# Altium PCB DIO_MCX.PCBDOC (part 1 of 3) (continued)
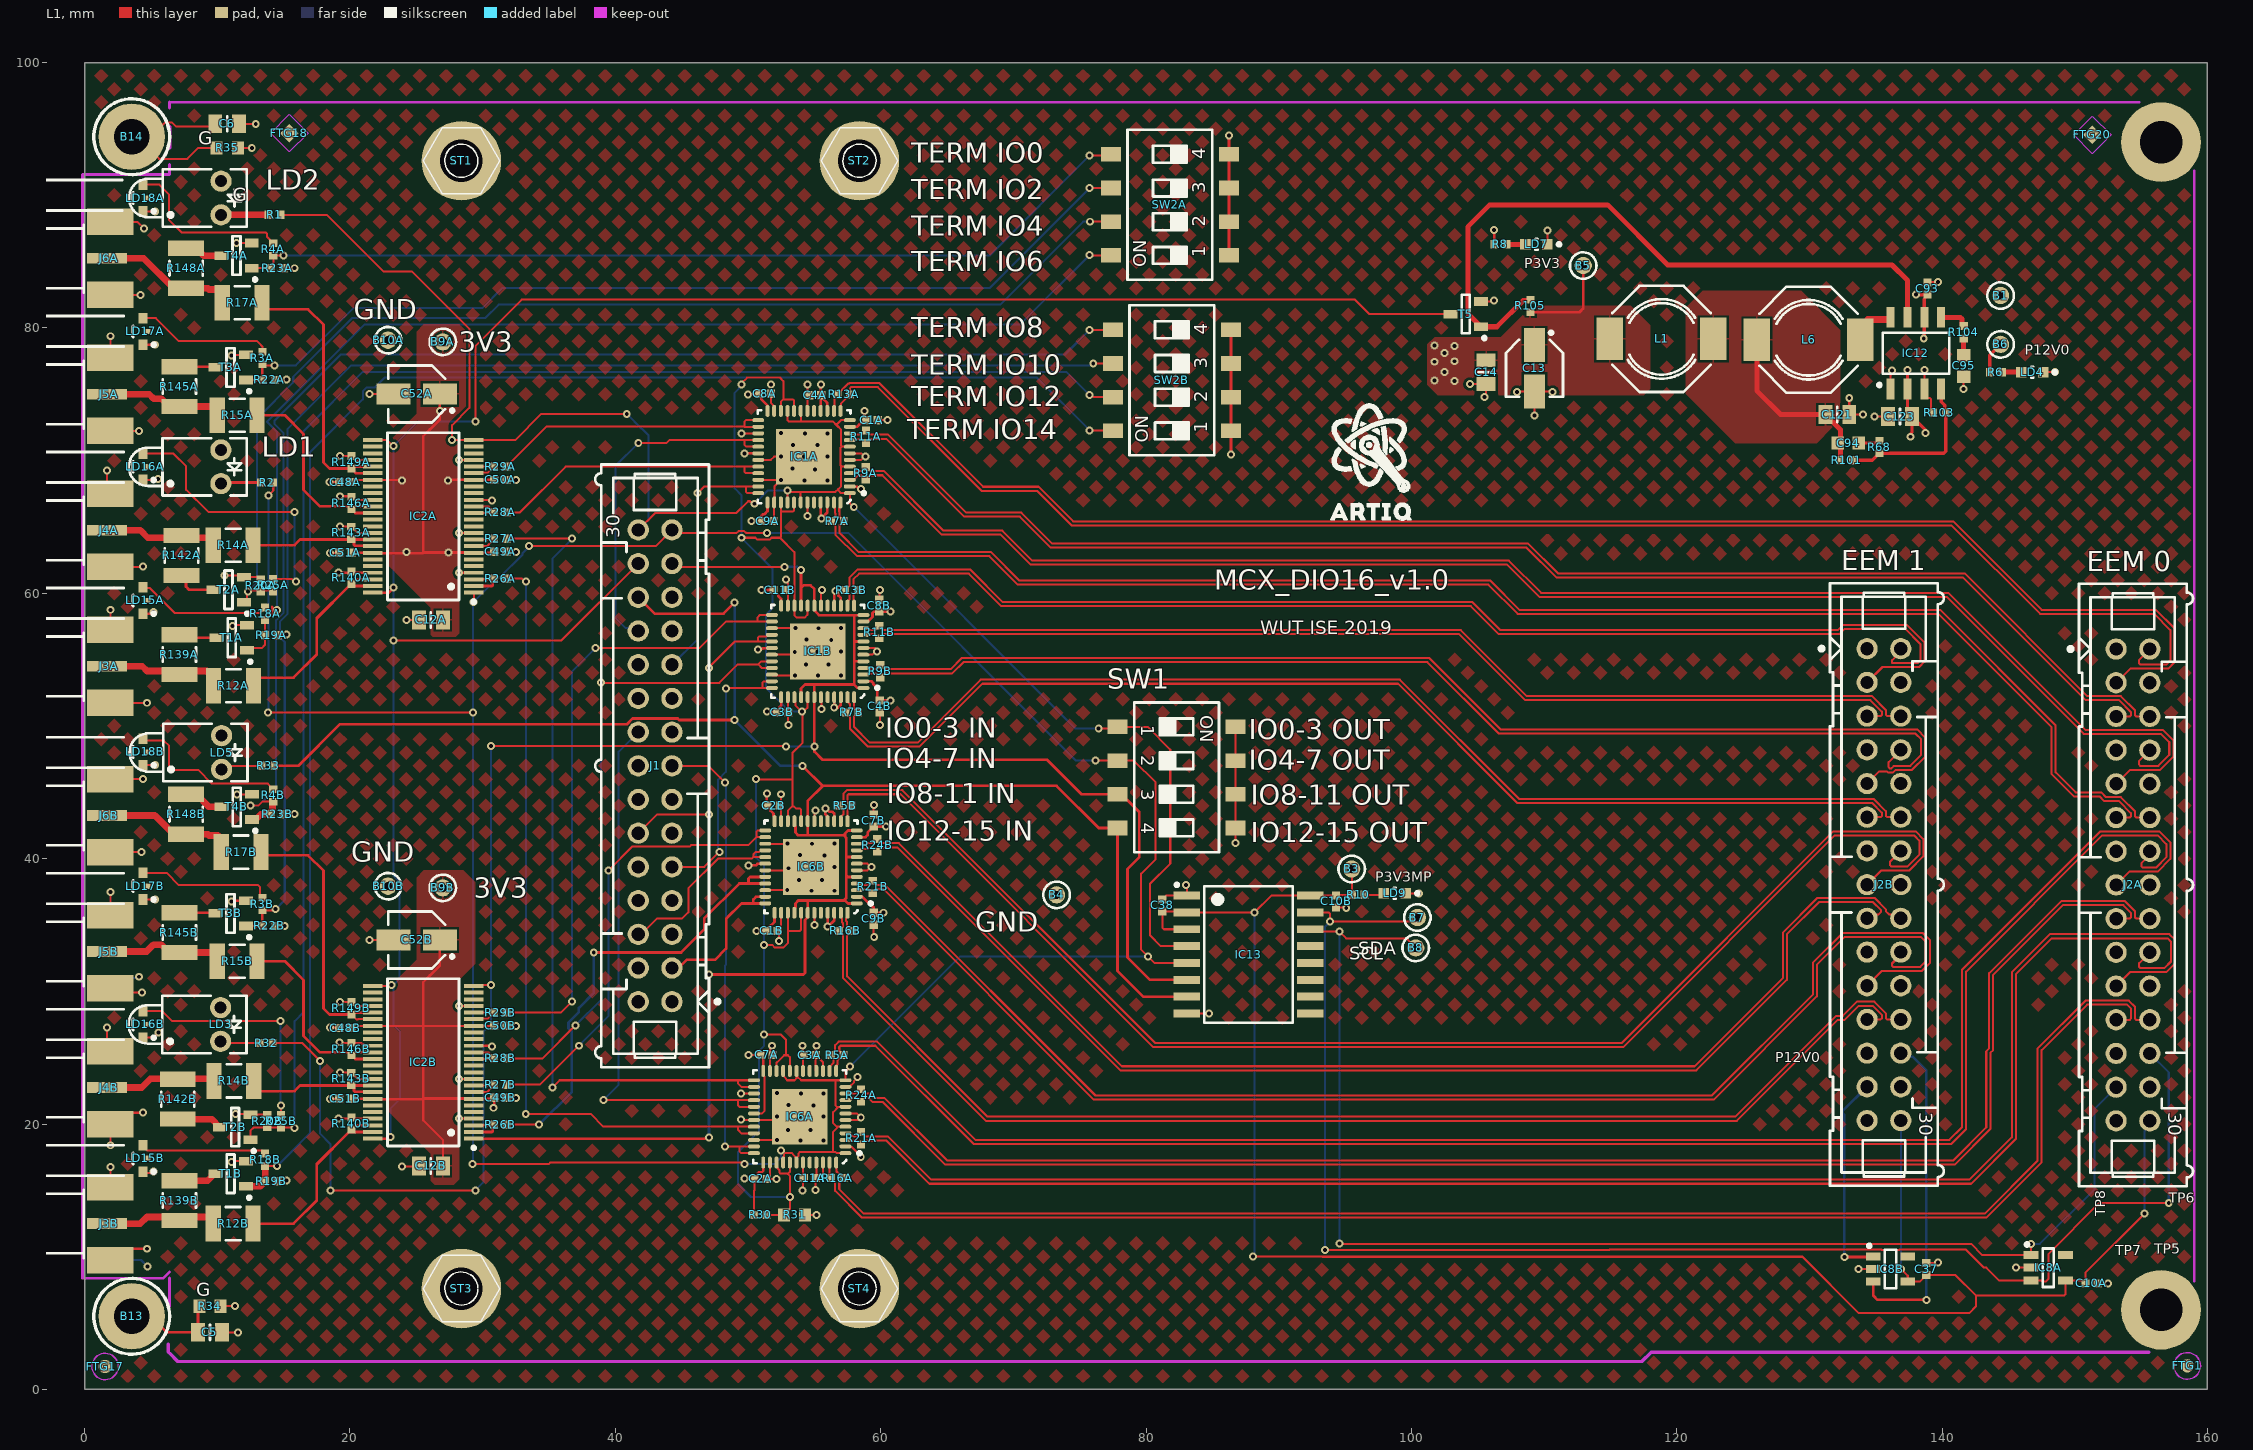
[diagram p0: L1 view]
## Design rules (kind name [scope] priority, off if disabled: settings)
AcuteAngle AcuteAngle_GND [InNet('GND')] p1: minimum=5.00000000000000E+0001 checktracksonly=FALSE
AcuteAngle [All] p2: minimum=5.00000000000000E+0001 checktracksonly=FALSE
Clearance Clearance_1 [InPolygon vs (InDifferentialPairClass('All Differential Pairs'))] p1: gap=0.254 ignorepadtopadclearanceinfootprint=FALSE except(0: Arc-Hole Track-Hole SMDPad-Hole THPad-Hole Via-Hole Fill-Hole Poly-Hole Region-Hole Text-Hole; 0.508: Track-Poly)
Clearance Clearance_KeepOut [OnLayer('Keep-Out Layer') vs NOT (InComponent('J8') OR InComponent('J11'))] p2: gap=0.127 ignorepadtopadclearanceinfootprint=FALSE
Clearance Clearance_50_Ohms [InNetClass('50_Ohms')] p3: gap=0.2 ignorepadtopadclearanceinfootprint=FALSE except(0: Arc-Hole Track-Hole SMDPad-Hole THPad-Hole Via-Hole Fill-Hole Poly-Hole Region-Hole Text-Hole)
Clearance Clearance_DiffPair_1 [(InDifferentialPairClass('All Differential Pairs')) vs (InDifferentialPairClass('All Differential Pairs'))] p4 off: gap=0.3 ignorepadtopadclearanceinfootprint=FALSE except(0: Arc-Hole Track-Hole SMDPad-Hole THPad-Hole Via-Hole Fill-Hole Poly-Hole Region-Hole Text-Hole)
Clearance [Not (OnLayer('Keep-Out Layer'))] p5: gap=0.127 ignorepadtopadclearanceinfootprint=FALSE except(0: Arc-Hole Track-Hole SMDPad-Hole THPad-Hole Via-Hole Fill-Hole Poly-Hole Region-Hole Text-Hole; 0.203: Arc-Poly Track-Poly SMDPad-Poly THPad-Poly Via-Poly Fill-Poly Poly-Poly)
Clearance Clearance_abs [All] p6: gap=0.127 ignorepadtopadclearanceinfootprint=FALSE
ComponentClearance Clearance_ERNI [(HasFootprint('ERMET ZD 3-10 CONNECTOR')) vs (HasFootprint('ERMET ZD 3-10 CONNECTOR'))] p1: gap=0 collisioncheckmode=3 verticalgap=0.254 showdistances=FALSE
ComponentClearance Clearance_Radiall_Placement [HasFootprint('Coaxipack2') vs HasFootprint('Coaxipack2')] p2: gap=0 collisioncheckmode=3 verticalgap=0.254 showdistances=FALSE
ComponentClearance [All] p3: gap=0.254 collisioncheckmode=3 verticalgap=0.254 showdistances=FALSE
DiffPairsRouting CLK_DiffPairsRouting [(InDifferentialPairClass('All Differential Pairs'))] p1: maxlimit=0.152 minlimit=0.127 mostfreqgap=0.152 toplayer_minwidth=0.041 toplayer_maxwidth=0.178 toplayer_prefwidth=0.178 bottomlayer_minwidth=0.041 bottomlayer_maxwidth=0.178 bottomlayer_prefwidth=0.178 impedanceprofiledriven=TRUE impedanceprofileid={1638B388-A55E-4872-B911-ACA13AA289D7} impedanceprofilevalue=100.000000 maxuncoupledlength=10
FabricationTestPointUsage TestPointUsage [All] p1: valid=0 allowmultiple=FALSE
FabricationTestpoint Testpoint [(IsPad And (OnTopLayer Or OnBottomLayer))] p1: side=3 testpointundercomponent=TRUE minsize=1.016 maxsize=2.54 preferedsize=1.524 minholesize=0 maxholesize=1.016 preferedholesize=0.813 testpointgrid=0.025 allowsidetop=TRUE allowsidebottom=TRUE usegrid=TRUE gridtolerance=0
Height BottomHeight [All] p1: minheight=0 maxheight=20 prefheight=10
Height TopHeight [OnLayer('Top Layer (LO)')] p2: minheight=0 maxheight=2.5 prefheight=1
HoleSize [All] p1: absolutevalues=TRUE maxlimit=5 minlimit=0.2 maxpercent=80.000 minpercent=20.000
HoleToHoleClearance [All] p1: gap=0.2 allowstackedmicrovias=TRUE
Length [All] p1 off: maxlimit=2540 minlimit=0
MatchedLengths MatchLengths_IC10_Passives_IC13A,IC13B,IC13C,IC13D,IC2A,IC2B,IC2C,IC2D_1 [InxSignalClass('xSignals_IC10_Passives_IC13A,IC13B,IC13C,IC13D,IC2A,IC2B,IC2C,IC2D_MatchLengthsClass')] p1: tolerance=2.54 checknetsindiffpair=FALSE checkdiffpairvsdiffpair=TRUE checkxsignals=TRUE checkothers=TRUE
MatchedLengths MatchLengths_xSignals_IC10_Passives_1 [InxSignalClass('xSignals_IC10_Passives_MatchLengthsClass_1')] p2: tolerance=2.54 checknetsindiffpair=FALSE checkdiffpairvsdiffpair=TRUE checkxsignals=TRUE checkothers=TRUE
MatchedLengths MatchLengths_xSignals_IC10_IC13A,IC13B,IC13C,IC13D,IC2A,IC2B,IC2C,IC2D_1 [InxSignalClass('xSignals_IC10_IC13A,IC13B,IC13C,IC13D,IC2A,IC2B,IC2C,IC2D_MatchLengthsClass')] p3: tolerance=2.54 checknetsindiffpair=FALSE checkdiffpairvsdiffpair=TRUE checkxsignals=TRUE checkothers=TRUE
MatchedLengths MatchLengths_IC10_Passives_IC13A,IC13B,IC13C,IC13D,IC2A,IC2B,IC2C,IC2D [InxSignalClass('xSignals_IC10_Passives_IC13A,IC13B,IC13C,IC13D,IC2A,IC2B,IC2C,IC2D_MatchLengthsClass')] p4: tolerance=2.54 checknetsindiffpair=FALSE checkdiffpairvsdiffpair=TRUE checkxsignals=TRUE checkothers=TRUE
MatchedLengths MatchLengths_xSignals_IC10_Passives [InxSignalClass('xSignals_IC10_Passives_MatchLengthsClass')] p5: tolerance=2.54 checknetsindiffpair=FALSE checkdiffpairvsdiffpair=TRUE checkxsignals=TRUE checkothers=TRUE
MatchedLengths MatchLengths_xSignals_IC10_IC13A,IC13B,IC13C,IC13D,IC2A,IC2B,IC2C,IC2D [InxSignalClass('xSignals_IC10_IC13A,IC13B,IC13C,IC13D,IC2A,IC2B,IC2C,IC2D_MatchLengthsClass')] p6: tolerance=2.54 checknetsindiffpair=FALSE checkdiffpairvsdiffpair=TRUE checkxsignals=TRUE checkothers=TRUE
MatchedLengths MatchLengths_xSignals_IC10_IC23A,IC23B,IC23C,IC23D [InxSignalClass('xSignals_IC10_IC23A,IC23B,IC23C,IC23D_MatchLengthsClass')] p7: tolerance=2.54 checknetsindiffpair=FALSE checkdiffpairvsdiffpair=TRUE checkxsignals=TRUE checkothers=TRUE
MatchedLengths Update [InxSignalClass('UPDATE')] p8: tolerance=5 checknetsindiffpair=FALSE checkdiffpairvsdiffpair=TRUE checkxsignals=TRUE checkothers=TRUE
MatchedLengths RFSW [InxSignalClass('RFSW')] p9: tolerance=5 checknetsindiffpair=FALSE checkdiffpairvsdiffpair=TRUE checkxsignals=TRUE checkothers=TRUE
MatchedLengths "IO 11 15" [InxSignalClass('IO11_15')] p10: tolerance=5 checknetsindiffpair=FALSE checkdiffpairvsdiffpair=TRUE checkxsignals=TRUE checkothers=TRUE
MatchedLengths "DDS SYNC" [InxSignalClass('DDSx_SYNC')] p11: tolerance=5 checknetsindiffpair=FALSE checkdiffpairvsdiffpair=TRUE checkxsignals=TRUE checkothers=TRUE
MatchedLengths "DDS RESET" [InxSignalClass('DDS_RESET')] p12: tolerance=5 checknetsindiffpair=FALSE checkdiffpairvsdiffpair=TRUE checkxsignals=TRUE checkothers=TRUE
MatchedLengths "CLK IC13" [InxSignalClass('CLK IC13')] p13: tolerance=5 checknetsindiffpair=FALSE checkdiffpairvsdiffpair=TRUE checkxsignals=TRUE checkothers=TRUE
MinimumAnnularRing MinimumAnnularRing_Blind [(InNetClass('50_Ohms') OR InDifferentialPairClass('All Differential Pairs'))] p1: minimumring=0.1
MinimumAnnularRing [All] p2: minimumring=0.1
MinimumSolderMaskSliver [All] p1: minsoldermaskwidth=0.05
PlaneClearance [All] p1: clearance=0.25
PlaneConnect PlaneConnect_pad [InPadClass('All Pads')] p1: planeconnectstyle=Relief reliefexpansion=0.508 reliefentries=4 reliefconductorwidth=0.254 reliefairgap=0.254
PlaneConnect [All] p2: planeconnectstyle=Direct reliefexpansion=0.508 reliefentries=4 reliefconductorwidth=0.254 reliefairgap=0.254
PolygonConnect PolygonConnect_pad [IsPad] p1: connectstyle=Relief reliefconductorwidth=0.15 reliefentries=4 polygonreliefangle="90 Angle" airgapwidth=0.152
PolygonConnect [All] p2: connectstyle=Direct reliefconductorwidth=0.254 reliefentries=4 polygonreliefangle="90 Angle" airgapwidth=0.254
RoomDefinition U_MCX_BufferB [InComponentClass('U_MCX_BufferB')] p1: confinementstyle=ConfineIn formatcopy=TRUE lockcomponents=FALSE outline -8.05,8.817 41.346,8.817 41.346,50.773 -8.05,50.773
RoomDefinition U_MCX_BufferA [InComponentClass('U_MCX_BufferA')] p2: confinementstyle=ConfineIn formatcopy=TRUE lockcomponents=FALSE outline -8.05,49.967 41.346,49.967 41.346,91.923 -8.05,91.923
RoomDefinition U_DIO-MCX_Supply [InComponentClass('U_DIO-MCX_Supply')] p3: confinementstyle=ConfineIn formatcopy=TRUE lockcomponents=FALSE outline 161.135,42.282 171.35,42.282 171.35,50.782 161.135,50.782
RoomDefinition U_LVDS_IFCB [InComponentClass('U_LVDS_IFCB')] p4: confinementstyle=ConfineIn formatcopy=TRUE lockcomponents=FALSE outline 141.75,10.9 122.3,10.9 122.3,64.4 141.75,64.4
RoomDefinition U_LVDS_IFCA [InComponentClass('U_LVDS_IFCA')] p5: confinementstyle=ConfineIn formatcopy=TRUE lockcomponents=FALSE outline 144.175,11.625 160.725,11.625 160.725,64.65 144.175,64.65
RoomDefinition DIO_MCX [InComponentClass('DIO_MCX')] p6: confinementstyle=ConfineIn formatcopy=TRUE lockcomponents=FALSE outline 91.65,72.425 105.7,72.425 105.7,23.75 91.65,23.75
RoutingVias "Schematic Routing Via Style_1" [InNet('NetC94_2')] p1: holewidth=0.5 width=0.7 viastyle="Through Hole" minholewidth=0.5 minwidth=0.7 maxholewidth=0.711 maxwidth=1.27
RoutingVias [All] p2: holewidth=0.3 width=0.6 viastyle="Through Hole" minholewidth=0.3 minwidth=0.6 maxholewidth=0.6 maxwidth=1
SMDNeckDown [All] p1: percent=100.000
SMDToCorner [All] p1: distance=78740
SMDToPlane [All] p1: distance=0
SilkToSilkClearance [All] p1: silktosilkclearance=0
SilkToSolderMaskClearance SilkscreenOverComponentPads [IsPad] p1: minsilkscreentomaskgap=0 clearancetoexposedcopper=TRUE
SolderMaskExpansion SolderMaskExpansion_GND_VIA [IsVia AND InNet('GND')] p1: expansion=-0.1
SolderMaskExpansion [All] p2: expansion=0.05
Width "Schematic Width Constraint_1" [InNet('NetC94_2')] p1: maxlimit=1.27 minlimit=0.381 preferedwidth=0.508
Width CLK_DiffPairs_Width [(InDifferentialPairClass('All Differential Pairs'))] p2: maxlimit=0.152 minlimit=0.152 preferedwidth=0.152 minimp=50.000000 maximp=50.000000 favimp=50.000000 checkconnectedcopper=TRUE
Width Width-SE [All] p3: maxlimit=0.5 minlimit=0.152 preferedwidth=0.152 minimp=49.000000 maximp=51.000000 favimp=50.000000
18 further rules are at their usual default settings.

## Classes and differential pairs
net class Z100R: LVDS0A_N LVDS0A_P LVDS0B_N LVDS0B_P LVDS1A_N LVDS1A_P LVDS1B_N LVDS1B_P LVDS2A_N LVDS2A_P LVDS2B_N LVDS2B_P LVDS3A_N LVDS3A_P LVDS3B_N LVDS3B_P LVDS4A_N LVDS4A_P LVDS4B_N LVDS4B_P LVDS5A_N LVDS5A_P LVDS5B_N LVDS5B_P LVDS6A_N LVDS6A_P LVDS6B_N LVDS6B_P LVDS7A_N LVDS7A_P LVDS7B_N LVDS7B_P
net class Hpower: NetC94_2
channel class MCX_Buffer: U_MCX_BufferA U_MCX_BufferB
component class U_MCX_BufferB: B9B B10B C12B C48B C49B C50B C51B C52B IC2B J3B J4B J5B J6B LD15B LD16B LD17B LD18B LP3B LP4B LP5B LP6B R3B R4B R12B R14B R15B R17B R18B R19B R20B R22B R23B R25B R26B R27B R28B R29B R139B R140B R142B R143B R145B R146B R148B R149B SW2B T1B T2B T3B T4B
component class DIO_MCX: B7 B8 B13 B14 C5 C6 C37 C38 IC13 J1 LD1 LD2 LD3 LD5 LP1 LP2 LP7 LP8 R1 R2 R30 R31 R32 R33 R34 R35 SCREW1 SCREW2 SCREW3 SCREW4 ST1 ST2 ST3 ST4 SW1 T5
channel class LVDS_IFC_MCX: U_LVDS_IFCA U_LVDS_IFCB
component class U_MCX_BufferA: B9A B10A C12A C48A C49A C50A C51A C52A IC2A J3A J4A J5A J6A LD15A LD16A LD17A LD18A LP3A LP4A LP5A LP6A R3A R4A R12A R14A R15A R17A R18A R19A R20A R22A R23A R25A R26A R27A R28A R29A R139A R140A R142A R143A R145A R146A R148A R149A SW2A T1A T2A T3A T4A
component class U_LVDS_IFCA: C1A C2A C3A C4A C7A C8A C9A C10A C11A IC1A IC6A IC8A J2A R5A R7A R9A R11A R13A R16A R21A R24A
component class U_DIO-MCX_Supply: B1 B3 B4 B5 B6 C13 C14 C93 C94 C95 C121 C123 FTG1 FTG2 FTG17 FTG18 FTG19 FTG20 IC12 L1 L6 LD4 LD7 LD9 R6 R8 R10 R68 R101 R103 R104 R105
component class U_LVDS_IFCB: C1B C2B C3B C4B C7B C8B C9B C10B C11B IC1B IC6B IC8B J2B R5B R7B R9B R11B R13B R16B R21B R24B
differential pair LVDS7B: +LVDS7B_P -LVDS7B_N
differential pair LVDS7A: +LVDS7A_P -LVDS7A_N
differential pair LVDS6B: +LVDS6B_P -LVDS6B_N
differential pair LVDS6A: +LVDS6A_P -LVDS6A_N
differential pair LVDS5B: +LVDS5B_P -LVDS5B_N
differential pair LVDS5A: +LVDS5A_P -LVDS5A_N
differential pair LVDS4B: +LVDS4B_P -LVDS4B_N
differential pair LVDS4A: +LVDS4A_P -LVDS4A_N
differential pair LVDS3B: +LVDS3B_P -LVDS3B_N
differential pair LVDS3A: +LVDS3A_P -LVDS3A_N
differential pair LVDS2B: +LVDS2B_P -LVDS2B_N
differential pair LVDS2A: +LVDS2A_P -LVDS2A_N
differential pair LVDS1B: +LVDS1B_P -LVDS1B_N
differential pair LVDS1A: +LVDS1A_P -LVDS1A_N
differential pair LVDS0B: +LVDS0B_P -LVDS0B_N
differential pair LVDS0A: +LVDS0A_P -LVDS0A_N

## Components (designator, comment, footprint, x,y, rotation, side; value= is the part's Value field where it differs from the comment)
B1 "Plated Hole" c130h60 144.407,82.44 r270 top
B3 "Plated Hole" c130h60 95.5,39.225 r180 top
B4 "Plated Hole" c130h60 73.26,37.274 r180 top
B5 "Plated Hole" c130h60 112.95,84.7 r180 top
B6 "Plated Hole" c130h60 144.407,78.765 r180 top
B7 "Plated Hole" c130h60 100.45,35.565 r180 top
B8 "Plated Hole" c130h60 100.325,33.275 r180 top
B9A "Plated Hole" c130h60 27,78.951 r270 top (schematic designator B9)
B9B "Plated Hole" c130h60 27,37.801 r270 top (schematic designator B9)
B10A "Plated Hole" c130h60 22.875,79.075 r270 top (schematic designator B10)
B10B "Plated Hole" c130h60 22.875,37.925 r270 top (schematic designator B10)
B13 "Plated Hole" MTG270_500 3.556,5.512 r180 top locked
B14 "Plated Hole" MTG270_500 3.556,94.412 r180 top locked
C1A "100nF" CAPC1005X55N 59.335,73.05 r180 top (schematic designator C1)
C1B "100nF" CAPC1005X55N 51.8,34.55 r180 top (schematic designator C1)
C2A "100nF" CAPC1005X55N 50.95,15.864 r180 top (schematic designator C2)
C2B "100nF" CAPC1005X55N 51.925,44 r180 top (schematic designator C2)
C3A "100nF" CAPC1005X55N 54.65,25.2 r0 top (schematic designator C3)
C3B "100nF" CAPC1005X55N 52.6,51.025 r180 top (schematic designator C3)
C4A "100nF" CAPC1005X55N 55.075,74.93 r0 top (schematic designator C4)
C4B "100nF" CAPC1005X55N 59.935,51.475 r90 top (schematic designator C4)
C5 "Undefined" CAPC2012X135N 9.45,4.3 r0 top
C6 "Undefined" CAPC2012X135N 10.75,95.388 r0 top
C7A "100nF" CAPC1005X55N 51.4,25.211 r180 top (schematic designator C7)
C7B "100nF" CAPC1005X55N 59.475,42.875 r270 top (schematic designator C7)
C8A "100nF" CAPC1005X55N 51.275,75.042 r180 top (schematic designator C8)
C8B "100nF" CAPC1005X55N 59.9,59.07 r270 top (schematic designator C8)
C9A "100nF" CAPC1005X55N 51.475,65.449 r180 top (schematic designator C9)
C9B "100nF" CAPC1005X55N 59.475,35.475 r90 top (schematic designator C9)
C10A "100nF" CAPC1005X55N 151.25,7.985 r180 top (schematic designator C10)
C10B "100nF" CAPC1005X55N 94.323,36.774 r90 top (schematic designator C10)
C11A "100nF" CAPC1005X55N 54.65,15.925 r0 top (schematic designator C11)
C11B "100nF" CAPC1005X55N 52.375,60.243 r180 top (schematic designator C11)
C12A "22uF" CAPC2012X135N 26.1,57.989 r0 top (schematic designator C12)
C12B "22uF" CAPC2012X135N 26.1,16.839 r0 top (schematic designator C12)
C13 "10uF" CAPAE430X540N 109.275,76.965 r270 top
C14 "22uF" CAPC2012X135N 105.625,76.665 r90 top
C37 "100nF" CAPC1005X55N 138.809,9.073 r270 top
C38 "100nF" CAPC1005X55N 81.225,36.475 r270 top
C48A "100nF" CAPC1005X55N 19.65,68.381 r0 top (schematic designator C48)
C48B "100nF" CAPC1005X55N 19.65,27.231 r0 top (schematic designator C48)
C49A "100nF" CAPC1005X55N 31.325,63.126 r180 top (schematic designator C49)
C49B "100nF" CAPC1005X55N 31.325,21.976 r180 top (schematic designator C49)
C50A "100nF" CAPC1005X55N 31.325,68.55 r180 top (schematic designator C50)
C50B "100nF" CAPC1005X55N 31.325,27.4 r180 top (schematic designator C50)
C51A "100nF" CAPC1005X55N 19.64,63.05 r0 top (schematic designator C51)
C51B "100nF" CAPC1005X55N 19.64,21.9 r0 top (schematic designator C51)
C52A "10uF" CAPAE430X540N 25.025,75.023 r180 top (schematic designator C52)
C52B "10uF" CAPAE430X540N 25.025,33.873 r180 top (schematic designator C52)
C93 "100nF" CAPC1005X55N 138.89,82.965 r270 top
C94 "150pF" CAPC1608X87N 132.925,71.325 r180 top
C95 "3.9nF" CAPC1608X87N 141.625,77.135 r90 top
C121 "22uF" CAPC2012X135N 132.1,73.475 r180 top
C123 "22uF" CAPC2012X135N 136.825,73.325 r0 top
FTG1 "Use only in PCB" FIDUCIAL_TOP_C100-200 158.475,1.775 r90 top
FTG2 "Use only in PCB" FIDUCIAL_TOP_C100-200 158.475,1.775 r90 bottom
FTG17 "Use only in PCB" FIDUCIAL_TOP_C100-200 1.55,1.725 r270 top
FTG18 "Use only in PCB" FIDUCIAL_TOP_S100-200 15.435,94.681 r270 top
FTG19 "Use only in PCB" FIDUCIAL_TOP_S100-200 1.55,1.725 r90 bottom
FTG20 "Use only in PCB" FIDUCIAL_TOP_S100-200 151.325,94.55 r270 top
IC1A "SN65MLVD040RGZT" QFN50P700X700X100-49N-S420 54.225,70.3 r180 top (schematic designator IC1)
IC1B "SN65MLVD040RGZT" QFN50P700X700X100-49N-S420 55.25,55.62 r180 top (schematic designator IC1)
IC2A "74LVT162245MTD" SOP50P810X120-48N 25.525,65.8 r180 top (schematic designator IC2)
IC2B "74LVT162245MTD" SOP50P810X120-48N 25.525,24.65 r180 top (schematic designator IC2)
IC6A "SN65MLVD040RGZT" QFN50P700X700X100-49N-S420 53.9,20.55 r180 top (schematic designator IC6)
IC6B "SN65MLVD040RGZT" QFN50P700X700X100-49N-S420 54.75,39.375 r180 top (schematic designator IC6)
IC8A "24AA02E48T-I/OT" SOT95P280X145-5N 148,9.173 r0 top (schematic designator IC8)
IC8B "24AA02E48T-I/OT" SOT95P280X145-5N 136.109,9.073 r0 top (schematic designator IC8)
IC12 "NCP3170ADR2G" SOIC127P600X175-8N 138.025,78.1 r90 top
IC13 "PCF8574ADW" SOIC127P1030X265-16N 87.725,32.775 r0 top
J1 "=Familly" 3M_N2530-6002RB 43,47 r90 top locked
J2A "Familly" 3M_N2530-6002RB 154.384,38.018 r270 top locked (schematic designator J2)
J2B "Familly" 3M_N2530-6002RB 135.614,38.044 r270 top locked (schematic designator J2)
J3A "MCX" Belfuse_133-3701-801 4.2,54.5 r180 top locked (schematic designator J3)
J3B "MCX" Belfuse_133-3701-801 4.2,12.5 r180 top locked (schematic designator J3)
J4A "MCX" Belfuse_133-3701-801 4.2,64.75 r180 top locked (schematic designator J4)
J4B "MCX" Belfuse_133-3701-801 4.2,22.75 r180 top locked (schematic designator J4)
J5A "MCX" Belfuse_133-3701-801 4.2,75 r180 top locked (schematic designator J5)
J5B "MCX" Belfuse_133-3701-801 4.2,33 r180 top locked (schematic designator J5)
J6A "MCX" Belfuse_133-3701-801 4.2,85.25 r180 top locked (schematic designator J6)
J6B "MCX" Belfuse_133-3701-801 4.2,43.25 r180 top locked (schematic designator J6)
L1 "4.7uH" IND_BOURNS_SRU8043 118.85,79.175 r180 top
L6 "4.7uH" IND_BOURNS_SRU8043 129.938,79.109 r180 top
LD1 "Red" LED_DIALIGHT_551-1107F 10.274,69.537 r0 top
LD2 "Red" LED_DIALIGHT_551-1107F 10.283,89.793 r0 top
LD3 "Red" LED_DIALIGHT_551-1107F 10.25,27.506 r0 top
LD4 "Green" LED_KINGBRIGHT_KPH-1608CGCK 146.8,76.665 r180 top
LD5 "Red" LED_DIALIGHT_551-1107F 10.323,48 r0 top
LD7 "Green" LED_KINGBRIGHT_KPH-1608CGCK 109.425,86.3 r180 top
LD9 "Green" LED_KINGBRIGHT_KPH-1608CGCK 98.75,37.385 r180 top
LD15A "Green" LED_AVAGO_HSME-C120 4.4,59.459 r90 top (schematic designator LD15)
LD15B "Green" LED_AVAGO_HSME-C120 4.4,17.414 r90 top (schematic designator LD15)
LD16A "Green" LED_AVAGO_HSME-C120 4.4,69.537 r90 top (schematic designator LD16)
LD16B "Green" LED_AVAGO_HSME-C120 4.4,27.506 r90 top (schematic designator LD16)
LD17A "Green" LED_AVAGO_HSME-C120 4.4,79.732 r90 top (schematic designator LD17)
LD17B "Green" LED_AVAGO_HSME-C120 4.4,37.925 r90 top (schematic designator LD17)
LD18A "Green" LED_AVAGO_HSME-C120 4.4,89.793 r90 top (schematic designator LD18)
LD18B "Green" LED_AVAGO_HSME-C120 4.4,48.043 r90 top (schematic designator LD18)
LP1 "=Color" FIX&FASTEN-LEMB2-8V0-F -5.15,90 r0 top locked
LP2 "=Color" FIX&FASTEN-LEMB2-8V0-F -5.15,90 r0 top locked
LP3A "Color" FIX&FASTEN-LEMB2-8V0-F -5.05,48 r0 top locked (schematic designator LP3)
LP3B "Color" FIX&FASTEN-LEMB2-8V0-F -5.05,59.25 r0 top locked (schematic designator LP3)
LP4A "Color" FIX&FASTEN-LEMB2-8V0-F -5.05,27.5 r0 top locked (schematic designator LP4)
LP4B "Color" FIX&FASTEN-LEMB2-8V0-F -5.05,37.75 r0 top locked (schematic designator LP4)
LP5A "Color" FIX&FASTEN-LEMB2-8V0-F -5.05,17.25 r0 top locked (schematic designator LP5)
LP5B "Color" FIX&FASTEN-LEMB2-8V0-F -5.05,69.5 r0 top locked (schematic designator LP5)
LP6A "Color" FIX&FASTEN-LEMB2-8V0-F -5.05,48 r0 top locked (schematic designator LP6)
LP6B "Color" FIX&FASTEN-LEMB2-8V0-F -5.05,79.75 r0 top locked (schematic designator LP6)
LP7 "=Color" FIX&FASTEN-LEMB2-8V0-F -5.05,27.5 r0 top locked
LP8 "=Color" FIX&FASTEN-LEMB2-8V0-F -5.05,69.5 r0 top locked
R1 "1k" RESC1005X40N 14.314,88.523 r0 top
R2 "1k" RESC1005X40N 13.75,68.35 r0 top
R3A "1k" RESC1005X40N 13.4,77.731 r90 top (schematic designator R3)
R3B "1k" RESC1005X40N 13.4,36.581 r90 top (schematic designator R3)
R4A "1k" RESC1005X40N 14.224,85.92 r90 top (schematic designator R4)
R4B "1k" RESC1005X40N 14.224,44.77 r90 top (schematic designator R4)
R5A "100" RESC1005X40N 56.725,25.2 r180 top (schematic designator R5)
R5B "100" RESC1005X40N 57.335,44 r180 top (schematic designator R5)
R6 "10k" RESC1005X40N 144.057,76.665 r180 top
R7A "100" RESC1005X40N 56.744,65.449 r0 top (schematic designator R7)
R7B "100" RESC1005X40N 57.835,51.025 r0 top (schematic designator R7)
R8 "1k" RESC1005X40N 106.712,86.3 r0 top
R9A "100" RESC1005X40N 58.875,69.05 r90 top (schematic designator R9)
R9B "100" RESC1005X40N 59.975,54.125 r90 top (schematic designator R9)
R10 "1k" RESC1005X40N 96,37.274 r0 top
R11A "100" RESC1005X40N 58.885,71.799 r90 top (schematic designator R11)
R11B "100" RESC1005X40N 59.9,57.075 r90 top (schematic designator R11)
R12A "30R" RESC3225X70N 11.223,53.033 r0 top (schematic designator R12)
R12B "30R" RESC3225X70N 11.2,12.493 r0 top (schematic designator R12)
R13A "100" RESC1005X40N 57.214,74.992 r180 top (schematic designator R13)
R13B "100" RESC1005X40N 57.795,60.243 r180 top (schematic designator R13)
R14A "30R" RESC3225X70N 11.2,63.626 r0 top (schematic designator R14)
R14B "30R" RESC3225X70N 11.253,23.25 r0 top (schematic designator R14)
R15A "30R" RESC3225X70N 11.5,73.423 r0 top (schematic designator R15)
R15B "30R" RESC3225X70N 11.5,32.273 r0 top (schematic designator R15)
R16A "100" RESC1005X40N 56.725,15.925 r0 top (schematic designator R16)
R16B "100" RESC1005X40N 57.325,34.55 r0 top (schematic designator R16)
R17A "30R" RESC3225X70N 11.874,81.9 r0 top (schematic designator R17)
R17B "30R" RESC3225X70N 11.792,40.5 r0 top (schematic designator R17)
R18A "1k" RESC1005X40N 13.6,58.459 r90 top (schematic designator R18)
R18B "1k" RESC1005X40N 13.6,17.309 r90 top (schematic designator R18)
R19A "10k" RESC1005X40N 14.075,56.841 r180 top (schematic designator R19)
R19B "10k" RESC1005X40N 14.075,15.691 r180 top (schematic designator R19)
R20A "10k" RESC1005X40N 13.28,60.58 r270 top (schematic designator R20)
R20B "10k" RESC1005X40N 13.764,20.217 r270 top (schematic designator R20)
R21A "100" RESC1005X40N 58.525,18.925 r90 top (schematic designator R21)
R21B "100" RESC1005X40N 59.4,37.875 r90 top (schematic designator R21)
R22A "10k" RESC1005X40N 13.9,76.079 r180 top (schematic designator R22)
R22B "10k" RESC1005X40N 13.9,34.929 r180 top (schematic designator R22)
R23A "10k" RESC1005X40N 14.525,84.5 r180 top (schematic designator R23)
R23B "10k" RESC1005X40N 14.525,43.35 r180 top (schematic designator R23)
R24A "100" RESC1005X40N 58.525,22.151 r90 top (schematic designator R24)
R24B "100" RESC1005X40N 59.75,41.012 r90 top (schematic designator R24)
R25A "1k" RESC1005X40N 14.211,60.61 r90 top (schematic designator R25)
R25B "1k" RESC1005X40N 14.81,20.21 r90 top (schematic designator R25)
R26A "22" RESC1005X40N 31.325,61.1 r0 top (schematic designator R26)
R26B "22" RESC1005X40N 31.325,19.95 r0 top (schematic designator R26)
R27A "22" RESC1005X40N 31.345,64.116 r0 top (schematic designator R27)
R27B "22" RESC1005X40N 31.345,22.966 r0 top (schematic designator R27)
R28A "22" RESC1005X40N 31.345,66.1 r0 top (schematic designator R28)
R28B "22" RESC1005X40N 31.345,24.95 r0 top (schematic designator R28)
R29A "22" RESC1005X40N 31.325,69.55 r0 top (schematic designator R29)
R29B "22" RESC1005X40N 31.325,28.4 r0 top (schematic designator R29)
R30 "10k" RESC1005X40N 50.921,13.15 r180 top
R31 "0" RESC1608X55N 53.51,13.15 r0 top
R32 "1k" RESC1005X40N 13.688,26.106 r0 top
R33 "1k" RESC1005X40N 13.83,47 r0 top
R34 "0" RESC1608X55N 9.45,6.268 r180 top
R35 "0" RESC1608X55N 10.75,93.568 r180 top
R68 "1k" RESC1005X40N 135.27,71.025 r90 top
R101 "27k" RESC1005X40N 132.8,70.025 r180 top
R103 "8k2" RESC1005X40N 139.8,73.625 r180 top
R104 "10k" RESC1005X40N 141.625,79.675 r90 top
R105 "10k" RESC1005X40N 108.975,81.662 r270 top
R139A "49R9" RESC3225X70N 7.15,55.383 r270 top (schematic designator R139)
R139B "49R9" RESC3225X70N 7.15,14.233 r270 top (schematic designator R139)
R140A "10k" RESC1005X40N 20.11,61.179 r270 top (schematic designator R140)
R140B "10k" RESC1005X40N 20.11,20.029 r270 top (schematic designator R140)
R142A "49R9" RESC3225X70N 7.305,62.851 r90 top (schematic designator R142)
R142B "49R9" RESC3225X70N 7.016,21.871 r90 top (schematic designator R142)
R143A "10k" RESC1005X40N 20.1,64.55 r270 top (schematic designator R143)
R143B "10k" RESC1005X40N 20.1,23.4 r270 top (schematic designator R143)
R145A "49R9" RESC3225X70N 7.15,75.581 r270 top (schematic designator R145)
R145B "49R9" RESC3225X70N 7.15,34.431 r270 top (schematic designator R145)
R146A "10k" RESC1005X40N 20.11,66.8 r270 top (schematic designator R146)
R146B "10k" RESC1005X40N 20.11,25.65 r270 top (schematic designator R146)
R148A "49R9" RESC3225X70N 7.65,84.5 r270 top (schematic designator R148)
R148B "49R9" RESC3225X70N 7.65,43.35 r270 top (schematic designator R148)
R149A "10k" RESC1005X40N 20.11,69.874 r270 top (schematic designator R149)
R149B "10k" RESC1005X40N 20.11,28.724 r270 top (schematic designator R149)
SCREW1 "M3x6" BOSSARD_BN5687-3061605_v 28.4,92.6 r180 bottom
SCREW2 "M3x6" BOSSARD_BN5687-3061605_v 58.4,92.6 r180 bottom
SCREW3 "M3x6" BOSSARD_BN5687-3061605_v 28.4,7.6 r180 bottom
SCREW4 "M3x6" BOSSARD_BN5687-3061605_v 58.4,7.6 r180 bottom
ST1 "M3x10" HARWIN_R25-1001002 28.4,92.6 r0 top
ST2 "M3x10" HARWIN_R25-1001002 58.4,92.6 r0 top
ST3 "M3x10" HARWIN_R25-1001002 28.4,7.6 r0 top
ST4 "M3x10" HARWIN_R25-1001002 58.4,7.6 r0 top
SW1 "Switch" SW_OMRON_A6S-4102-H 82.3,46.125 r0 top
SW2A "Switch" SW_OMRON_A6S-4102-H 81.8,89.275 r180 top (schematic designator SW2)
SW2B "Switch" SW_OMRON_A6S-4102-H 81.95,76.05 r180 top (schematic designator SW2)
T1A "BSS138LT1G" SOT95P240X110-3N 11.083,56.65 r180 top (schematic designator T1)
T1B "BSS138LT1G" SOT95P240X110-3N 11.003,16.254 r180 top (schematic designator T1)
T2A "BSS138LT1G" SOT95P240X110-3N 10.85,60.269 r180 top (schematic designator T2)
T2B "BSS138LT1G" SOT95P240X110-3N 11.342,19.763 r180 top (schematic designator T2)
T3A "BSS138LT1G" SOT95P240X110-3N 11,77.029 r180 top (schematic designator T3)
T3B "BSS138LT1G" SOT95P240X110-3N 11,35.879 r180 top (schematic designator T3)
T4A "BSS138LT1G" SOT95P240X110-3N 11.45,85.45 r180 top (schematic designator T4)
T4B "BSS138LT1G" SOT95P240X110-3N 11.473,43.9 r180 top (schematic designator T4)
T5 "BSS138LT1G" SOT95P240X110-3N 104.1,81.04 r180 top

## Footprints (in the part's own frame and the unit in brackets; to place one, negate y for a bottom-side part, rotate by r counter-clockwise, add the part's x,y. Pads: shape width x height; smd on the part's side, far side on the other; paste and mask are expansions set on the pad)
3M_N2530-6002RB [mm] "30 Contacts - Straight .100\" x .100\" Low Profile Four-Wall Header"
  round 1.6 hole 1: 1(-17.78,-1.27) 2(-17.78,1.27) 3(-15.24,-1.27) 4(-15.24,1.27) 5(-12.7,-1.27) 6(-12.7,1.27) 7(-10.16,-1.27) 8(-10.16,1.27) 9(-7.62,-1.27) 10(-7.62,1.27) 11(-5.08,-1.27) 12(-5.08,1.27) 13(-2.54,-1.27) 14(-2.54,1.27) 15(0,-1.27) 16(0,1.27) 17(2.54,-1.27) 18(2.54,1.27) 19(5.08,-1.27) 20(5.08,1.27) 21(7.62,-1.27) 22(7.62,1.27) 23(10.16,-1.27) 24(10.16,1.27) 25(12.7,-1.27) 26(12.7,1.27) 27(15.24,-1.27) 28(15.24,1.27) 29(17.78,-1.27) 30(17.78,1.27)
  silkscreen extent -22.71,-4.85 22.71,4.52, body extent -22.71,-4.11 22.71,4.52, height 9.91
Belfuse_133-3701-801 [mm] "50 Ohm, RF Connector, MCX Right Angle PCB Receptacle Jack"
  rect 3x0.8 smd: 1(2.5,0)
  rect 3.5x2 smd: 2(2.25,2.75) 2(2.25,-2.75)
  rect 3.5x2 smd far side: 2(2.25,2.75) 2(2.25,-2.75)
  silkscreen extent 4.25,-2.54 9.5,2.6, body extent 1.08,-3.17 9.61,3.17, height 3.42
BOSSARD_BN5687-3061605_v [mm] "M3 L=6mm Hexalobular Socket Pan Head Screw, Fully Threaded - Stainless Steel A2"
  silkscreen extent -4,-4 4,4, body extent -2.8,-2.8 2.8,2.8, height 2.4
c130h60 [mm] "Plated Through Hole: Hole Dia.=0.6mm Pad Dia.=1.30mm"
  round 1.3 hole 0.6: 1(0,0)
  silkscreen extent -1,-1 1,1
CAPAE430X540N [mm] "Capacitor, Aluminium Electrolytric, 4.3mm L X 4.3mm W X 5.4mm H, IPC Medium Density"
  rect 2.55x1.6 smd: 1(-1.75,0) 2(1.75,0)
  silkscreen extent -2.8,-2.15 2.15,2.15, body extent -2.75,-2.25 2.75,2.25, height 5.7
CAPC1005X55N [mm] "Capacitor, Non-Polarized, Chip; 1.00mm L X 0.50mm W X 0.70mm H, IPC Medium Density"
  rect 0.62x0.62 smd: 1(-0.45,0) 2(0.45,0)
  body extent -0.52,-0.27 0.53,0.28, height 0.55
CAPC1608X87N [mm] "Chip Capacitor, Body 1.6x0.8mm IPC Medium Density"
  rect 0.95x1 smd: 1(-0.8,0) 2(0.8,0)
  body extent -0.87,-0.47 0.88,0.48, height 0.87
CAPC2012X135N [mm] "Chip Capacitor, Body 2.0x1.25mm, IPC Medium Density"
  rect 1.05x1.4 smd: 1(-0.9,0) 2(0.9,0)
  silkscreen extent 0,-0.58 0,0.58, body extent -1.05,-0.67 1.05,0.68, height 1.25
FIDUCIAL_TOP_C100-200 [mm] "Round Fiducial Target, Top Layer, 1.0mm, Top Solder 2.0mm, Keepout =2.0mm"
  round 1 smd paste-0.51 mask+0.5: FTG2(0,0)
  L1 keep-out circle w0.1: c0,0 r1
FIDUCIAL_TOP_S100-200 [mm] "Square Fiducial Target, Top Layer, 1.0mm, Top Solder 2.0mm, Keepout =2.0mm"
  rect 1x1 smd rot 45 paste-0.51 mask+0.5: 1(0,0)
  L1 keep-out region: 1.414,0 0,-1.414 -1.414,0 0,1.414
FIX&FASTEN-LEMB2-8V0-F [mm] "Right Angle Single Element 2.3x8mm Round Lightpipe"
  silkscreen extent 0,-1.15 8,1.15, body extent 0,-1.15 8,1.15, height 2.15
HARWIN_R25-1001002 [mm]
  silkscreen extent -2.89,-2.5 2.89,2.5, body extent -2.89,-2.5 2.89,2.5, height 10.01
IND_BOURNS_SRU8043 [mm] "SMD Inductor Body Width 8.3mm Body Lenght 8.3mm Height 4.6mm"
  rect 2x3.2 smd: 1(-3.9,0) 2(3.9,0)
  silkscreen extent -3.71,-4 3.71,4, body extent -4,-4 4,4, height 4.3
LED_AVAGO_HSME-C120 [mm] "Green Chip LED, 2-Leads, Body 1.7x1.1mm, Side Emitting Package"
  rect 0.8x0.7 smd: 1(-1,0) 2(1,0)
  rect 0.4x0.4 smd: 3(0,-0.35)
  silkscreen extent -1.12,-0.92 0.42,0.8, body extent -0.85,-0.3 0.85,0.8, height 0.7
LED_DIALIGHT_551-1107F [mm] "Single 3mm Red LED, Body 6.35x4.32mm, Pin spacing 2.54mm"
  round 1.6 hole 0.9: 1(0,-1.27) 2(0,1.27)
  silkscreen extent -6.94,-2.16 1.95,2.16, body extent -6.94,-2.16 1.95,2.16, height 7.11
LED_KINGBRIGHT_KPH-1608CGCK [mm] "SMT Green LED, Case 0603, Body L 1.6 x W 0.8mm H 0.65mm"
  rect 0.8x0.8 smd: 1(-0.825,0) 2(0.825,0)
  silkscreen extent -1.83,-0.4 0.08,0.4, body extent -0.8,-0.4 0.8,0.4, height 0.65
MTG270_500 [mm] "Plated Through Hole: Hole Dia.=2.7mm Pad Dia.=5.0mm"
  round 5 hole 2.7: 1(0,0)
QFN50P700X700X100-49N-S420 [mm] "QFN, 0.50mm Pitch, Square; 48 Pin, 7.00mm L X 7.00mm W X 1mm H body (W/Thermal Tab 4.2mm X 4.2mm), IPC Medium Density"
  oval 0.9x0.3 smd: 1(-3.45,2.75) 2(-3.45,2.25) 3(-3.45,1.75) 4(-3.45,1.25) 5(-3.45,0.75) 6(-3.45,0.25) 7(-3.45,-0.25) 8(-3.45,-0.75) 9(-3.45,-1.25) 10(-3.45,-1.75) 11(-3.45,-2.25) 12(-3.45,-2.75) 25(3.45,-2.75) 26(3.45,-2.25) 27(3.45,-1.75) 28(3.45,-1.25) 29(3.45,-0.75) 30(3.45,-0.25) 31(3.45,0.25) 32(3.45,0.75) 33(3.45,1.25) 34(3.45,1.75) 35(3.45,2.25) 36(3.45,2.75)
  oval 0.3x0.9 smd: 13(-2.75,-3.45) 14(-2.25,-3.45) 15(-1.75,-3.45) 16(-1.25,-3.45) 17(-0.75,-3.45) 18(-0.25,-3.45) 19(0.25,-3.45) 20(0.75,-3.45) 21(1.25,-3.45) 22(1.75,-3.45) 23(2.25,-3.45) 24(2.75,-3.45) 37(2.75,3.45) 38(2.25,3.45) 39(1.75,3.45) 40(1.25,3.45) 41(0.75,3.45) 42(0.25,3.45) 43(-0.25,3.45) 44(-0.75,3.45) 45(-1.25,3.45) 46(-1.75,3.45) 47(-2.25,3.45) 48(-2.75,3.45)
  rect 4.2x4.2 smd: 49(0,0)
  silkscreen extent -4.63,-3.5 3.5,3.5, body extent -3.5,-3.5 3.5,3.5, height 1
RESC1005X40N [mm] "Chip Resistor, EIA 0402, Metric 1005, Body 1.0x0.5mm, IPC Medium Density"
  rect 0.58x0.62 smd: 1(-0.47,0) 2(0.47,0)
  body extent -0.52,-0.27 0.53,0.28, height 0.4
RESC1608X55N [mm] "Chip Resistor, EIA 0603, Metric 1608, Body 1.6x0.8mm, IPC Medium Density"
  rect 0.9x1 smd: 1(-0.8,0) 2(0.8,0)
  body extent -0.87,-0.47 0.88,0.48, height 0.55
RESC3225X70N [mm] "Chip Resistor, EIA 1210, Metric 3225, Body 3.2x2.5mm, IPC Medium Density"
  rect 1.15x2.7 smd: 1(-1.5,0) 2(1.5,0)
  silkscreen extent -0.55,-1.25 0.55,1.25, body extent -1.7,-1.35 1.7,1.35, height 0.7
SOIC127P600X175-8N [mm] "SOIC 8, Pitch 1.27mm - Body 4x5mm, IPC Medium Density"
  rect 1.55x0.6 smd: 1(-2.7,1.905) 2(-2.7,0.635) 3(-2.7,-0.635) 4(-2.7,-1.905) 5(2.7,-1.905) 6(2.7,-0.635) 7(2.7,0.635) 8(2.7,1.905)
  silkscreen extent -2.52,-2.5 1.55,2.88, body extent -3.1,-2.5 3.1,2.5, height 1.75
SOIC127P1030X265-16N [mm] "SOIC 16, Pitch 1.27mm - Body 7.5x10.3mm, IPC Medium Density"
  rect 2x0.6 smd: 1(-4.65,4.445) 2(-4.65,3.175) 3(-4.65,1.905) 4(-4.65,0.635) 5(-4.65,-0.635) 6(-4.65,-1.905) 7(-4.65,-3.175) 8(-4.65,-4.445) 9(4.65,-4.445) 10(4.65,-3.175) 11(4.65,-1.905) 12(4.65,-0.635) 13(4.65,0.635) 14(4.65,1.905) 15(4.65,3.175) 16(4.65,4.445)
  silkscreen extent -5.52,-5.15 3.32,5.37, body extent -5.18,-5.25 5.18,5.25, height 1.68
SOP50P810X120-48N [mm] "SOP, 48-Leads, Body 12.6x6.2mm (max), Pitch 0.50mm, IPC Medium Density"
  rect 1.45x0.3 smd: 1(-3.8,5.75) 2(-3.8,5.25) 3(-3.8,4.75) 4(-3.8,4.25) 5(-3.8,3.75) 6(-3.8,3.25) 7(-3.8,2.75) 8(-3.8,2.25) 9(-3.8,1.75) 10(-3.8,1.25) 11(-3.8,0.75) 12(-3.8,0.25) 13(-3.8,-0.25) 14(-3.8,-0.75) 15(-3.8,-1.25) 16(-3.8,-1.75) 17(-3.8,-2.25) 18(-3.8,-2.75) 19(-3.8,-3.25) 20(-3.8,-3.75) 21(-3.8,-4.25) 22(-3.8,-4.75) 23(-3.8,-5.25) 24(-3.8,-5.75) 25(3.8,-5.75) 26(3.8,-5.25) 27(3.8,-4.75) 28(3.8,-4.25) 29(3.8,-3.75) 30(3.8,-3.25) 31(3.8,-2.75) 32(3.8,-2.25) 33(3.8,-1.75) 34(3.8,-1.25) 35(3.8,-0.75) 36(3.8,-0.25) 37(3.8,0.25) 38(3.8,0.75) 39(3.8,1.25) 40(3.8,1.75) 41(3.8,2.25) 42(3.8,2.75) 43(3.8,3.25) 44(3.8,3.75) 45(3.8,4.25) 46(3.8,4.75) 47(3.8,5.25) 48(3.8,5.75)
  silkscreen extent -3.93,-6.3 2.7,6.57, body extent -4.06,-6.3 4.06,6.3, height 1.2
SOT95P240X110-3N [mm] "SOT23 3-Leads, Pitch 0.95mm, Body 1.3x2.9mm, IPC Medium Density"
  rect 1.05x0.65 smd: 1(-1.15,0.95) 2(-1.15,-0.95) 3(1.15,0)
  silkscreen extent -1.53,-1.45 0.3,1.92, body extent -1.25,-1.5 1.25,1.5, height 1.1
SOT95P280X145-5N [mm] "SOT, 0.95mm pitch; 5 pin, 1.60mm W X 2.90mm L X 1.45mm H body, IPC Medium Density"
  rect 1.1x0.6 smd: 1(-1.3,0.95) 2(-1.3,0) 3(-1.3,-0.95) 4(1.3,-0.95) 5(1.3,0.95)
  silkscreen extent -1.72,-1.45 0.43,1.87, body extent -1.4,-1.5 1.4,1.5, height 1.45
SW_OMRON_A6S-4102-H [mm] "Pitch 2.54mm, Body 11.3x6.4mm, 4 Ways SPST Surface-Mounting DIP Switch, OMRON A6S-H"
  rect 1.5x1.1 smd: 1(-4.45,3.81) 2(-4.45,1.27) 3(-4.45,-1.27) 4(-4.45,-3.81) 5(4.45,-3.81) 6(4.45,-1.27) 7(4.45,1.27) 8(4.45,3.81)
  silkscreen extent -3.2,-5.65 3.2,5.65, body extent -4.9,-5.55 4.9,5.55, height 3.97